# KiCad board kup-lulz.kicad_pcb (continued)
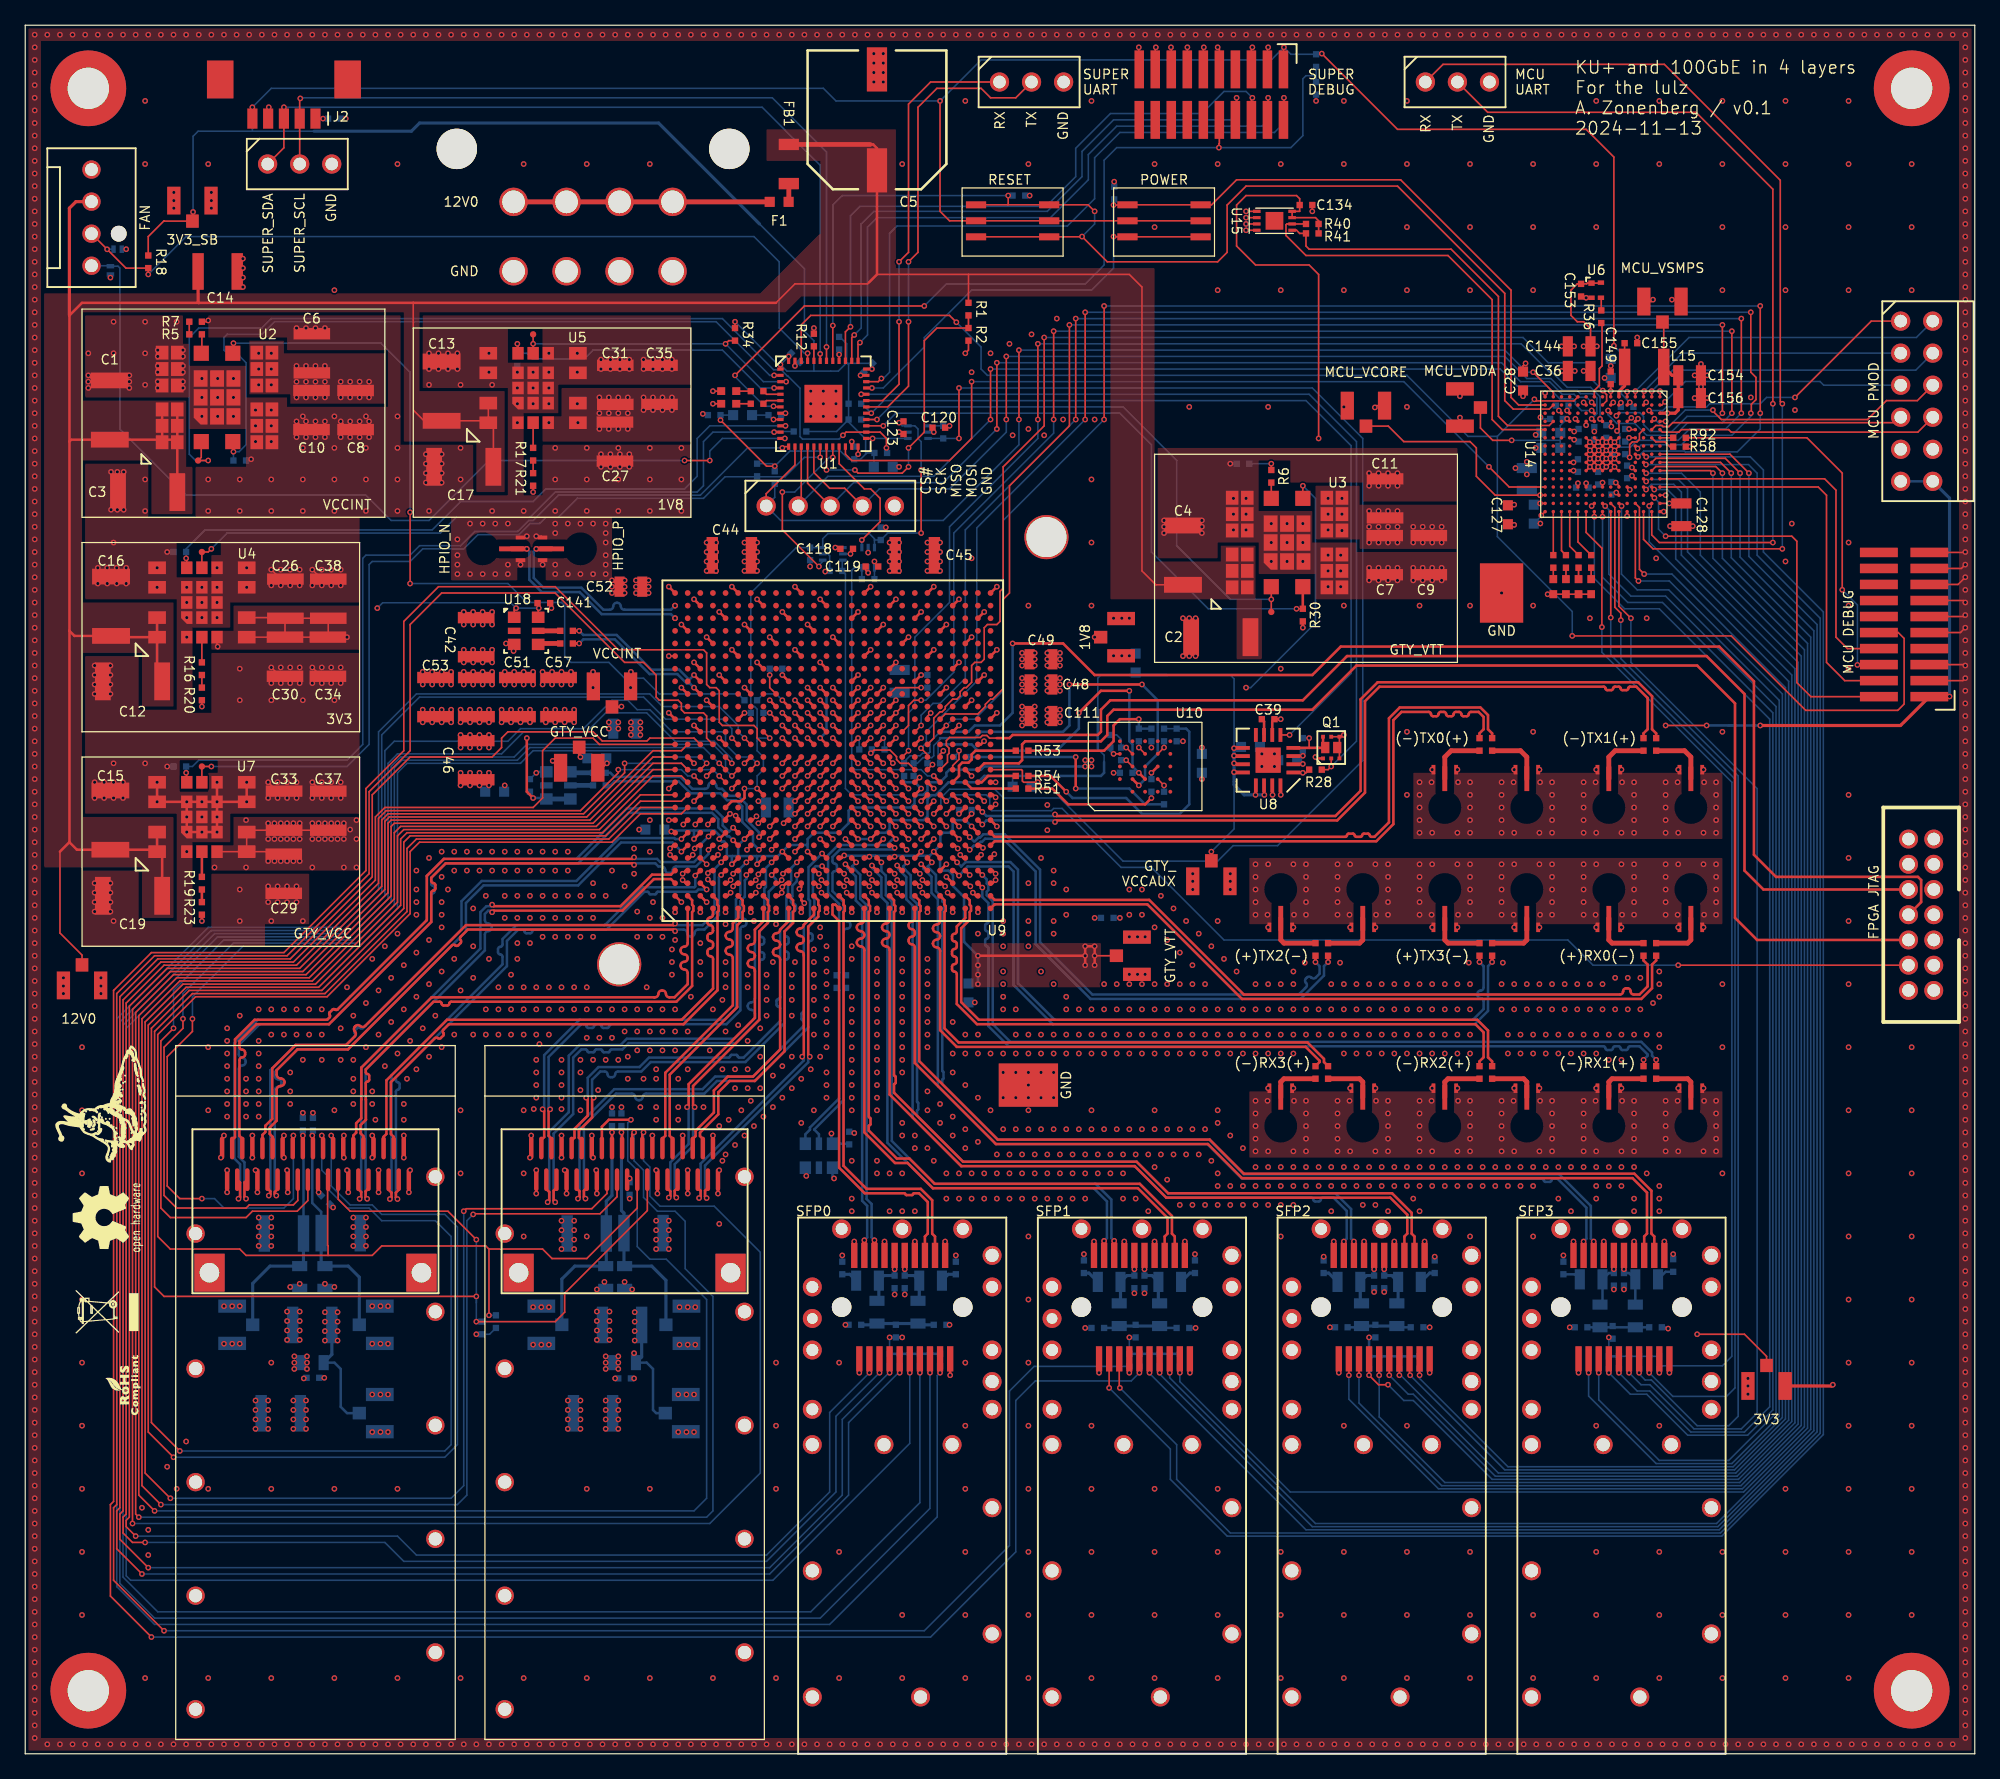
[diagram p0: board, top side]
## Nets (continued)
/FPGA support/FPGA_DONE_3V3: U1.21 U12.4
/FPGA support/FPGA_FLASH_CS_N: R49.2 R55.1 U10.C2
/FPGA support/FPGA_FLASH_DQ0: R45.2 R51.2
/FPGA support/FPGA_FLASH_DQ1: R46.2 R52.2
/FPGA support/FPGA_FLASH_DQ2: R47.2 R53.2 R56.1
/FPGA support/FPGA_FLASH_DQ3: R48.2 R54.2 R57.1
/FPGA support/FPGA_FLASH_SCK: R50.2 U10.B2
/FPGA support/FPGA_INIT: R89.1 U9.W10 U11.3
/FPGA support/FPGA_INIT_3V3: U1.20 U11.4
/FPGA support/FPGA_JTAG_TCK: J6.6 U9.AE12
/FPGA support/FPGA_JTAG_TDI: J6.10 U9.AB12
/FPGA support/FPGA_JTAG_TDO: J6.8 R44.1
/FPGA support/FPGA_JTAG_TMS: J6.4 U9.AB10
/FPGA support/FPGA_RESET_N: R91.1 U9.AB9 U13.3
/FPGA support/FPGA_RESET_N_3V3: U1.25 U13.4
/FPGA support/GTY_VCC: C29.1 C33.1 C37.1 C157.1 C162.1 TP16.1 U7.5 U7.6 U7.7 U9.AA7 U9.AC7 U9.J7 U9.L7 U9.N7 U9.W7
/FPGA support/GTY_VCCAUX: C41.1 C159.1 C160.1 TP12.1 U8.9 U8.10 U8.11 U8.12 U8.13 U8.14 U9.R7 U9.U7
/GTY_VTT: C7.1 C9.1 C11.1 C158.1 C161.1 R11.2 R81.1 TP14.1 U3.15 U3.16 U3.17 U3.18 U3.19 U3.20 U9.A7 U9.AB5 U9.AD8 U9.AE7 U9.C7 U9.E7 U9.F5 U9.G7 U9.H5 U9.K5 U9.M5 U9.P5 U9.T5 U9.V5 U9.Y5
/HP IOs/HPIO1_N: J40.1 U9.A24
/HP IOs/HPIO1_P: J14.1 U9.A25
/HP IOs/RC3_N: C143.1 U18.5
/HP IOs/RC3_P: C142.1 U18.4
/HP IOs/REFCLK3_N: C143.2 U9.C19
/HP IOs/REFCLK3_P: C142.2 U9.C18
/Management/I2C_SCL: R40.1 U14.R5 U15.6
/Management/I2C_SDA: R41.1 U14.P4 U15.5
/Management/MCU_BOOT0: R37.2 U14.C5
/Management/MCU_CLK_25MHZ: R36.1 U14.J1
/Management/MCU_JTAG_TCK: J4.4 U14.A12
/Management/MCU_JTAG_TDI: J4.8 U14.A11
/Management/MCU_JTAG_TDO: J4.6 R92.1
/Management/MCU_JTAG_TMS: J4.2 U14.B13
/Management/MCU_JTAG_TRST: R58.1 U14.B6
/Management/MCU_LED_0: R59.1 U14.L15
/Management/MCU_LED_1: R93.1 U14.M15
/Management/MCU_LED_2: R98.1 U14.N15
/Management/MCU_LED_3: R99.1 U14.P15
/Management/MCU_PMOD_DQ0: J38.1 U14.B3
/Management/MCU_PMOD_DQ1: J38.2 U14.C1
/Management/MCU_PMOD_DQ2: J38.3 U14.A2
/Management/MCU_PMOD_DQ3: J38.4 U14.B5
/Management/MCU_PMOD_DQ4: J38.7 U14.D1
/Management/MCU_PMOD_DQ5: J38.8 U14.B1
/Management/MCU_PMOD_DQ6: J38.9 U14.B4
/Management/MCU_PMOD_DQ7: J38.10 U14.A5
/Management/MCU_READY: U1.22 U14.R12
/Management/MCU_RST_N: J4.10 U1.46 U14.L1
/Management/MCU_UART_RX: J39.1 U14.C15
/Management/MCU_UART_TX: J39.2 U14.B15
/Management/MCU_VDDA: C129.1 C133.1 FB3.2 TP26.1 U14.M4
/Management/MGMT_SPI_CS_N: U9.AB15 U14.D8
/Management/MGMT_SPI_DQ0: U9.Y15 U14.F4
/Management/MGMT_SPI_DQ1: U9.AB16 U14.F3
/Management/MGMT_SPI_DQ2: U9.W15 U14.G3
/Management/MGMT_SPI_DQ3: U9.W13 U14.H4
/Management/MGMT_SPI_DQS: U9.AA13 U14.D7
/Management/MGMT_SPI_SCK: U9.AA14 U14.H2
/Management/QSFP0_I2C_SEL_N: J15.8 U9.E12
/Management/QSFP0_INT_N: J15.28 U9.B10
/Management/QSFP0_LPMODE: J15.31 U9.C12
/Management/QSFP0_PRESENT_N: J15.27 U9.A10
/Management/QSFP0_RST_N: J15.9 U9.F12
/Management/QSFP1_I2C_SEL_N: J16.8 U9.B11
/Management/QSFP1_INT_N: J16.28 U9.A13
/Management/QSFP1_LPMODE: J16.31 U9.B12
/Management/QSFP1_PRESENT_N: J16.27 U9.B14
/Management/QSFP1_RST_N: J16.9 U9.A12
/Management/QSFP_I2C_SCL: J15.11 J16.11 R42.1 U9.B9
/Management/QSFP_I2C_SDA: J15.12 J16.12 R94.1 U9.A9
/Management/SFP0_MOD_ABS: J11.6 U9.E13
/Management/SFP0_RS0: J11.7 R74.2 U9.G12
/Management/SFP0_RS1: J11.9 R75.2 U9.G14
/Management/SFP0_RX_LOS: J11.8 U9.F14
/Management/SFP0_TX_DISABLE: J11.3 U9.C11
/Management/SFP0_TX_FAULT: J11.2 U9.E11
/Management/SFP1_MOD_ABS: J9.6 U14.A8
/Management/SFP1_RS0: J9.7 R67.2 U14.B9
/Management/SFP1_RS1: J9.9 R68.2 U14.B10
/Management/SFP1_RX_LOS: J9.8 U14.A9
/Management/SFP1_TX_DISABLE: J9.3 U14.C9
/Management/SFP1_TX_FAULT: J9.2 U14.C8
/Management/SFP2_MOD_ABS: J7.6 U14.B12
/Management/SFP2_RS0: J7.7 R60.2 U14.B14
/Management/SFP2_RS1: J7.9 R61.2 U14.D15
/Management/SFP2_RX_LOS: J7.8 U14.D14
/Management/SFP2_TX_DISABLE: J7.3 U14.C10
/Management/SFP2_TX_FAULT: J7.2 U14.A10
/Management/SFP3_MOD_ABS: J33.6 U14.F15
/Management/SFP3_RS0: J33.7 R82.2 U14.G14
/Management/SFP3_RS1: J33.9 R83.2 U14.K15
/Management/SFP3_RX_LOS: J33.8 U14.G15
/Management/SFP3_TX_DISABLE: J33.3 U14.H14
/Management/SFP3_TX_FAULT: J33.2 U14.F14
/Management/VCORE: C124.1 C128.1 TP5.1 U14.A4 U14.A14 U14.R13
/Management/VLXSMPS: C155.1 L15.2 U14.F1
/Management/VSMPS: C32.1 C154.1 C156.1 L15.1 TP17.1 U14.A3 U14.A13 U14.G2 U14.R14
/Power Supply/BOOT0: R12.1 U1.44
/Power Supply/FAN1_PWM: D4.2 J13.4 U1.12
/Power Supply/FAN1_TACH: D3.2 J13.3 R18.1 U1.45
/Power Supply/GTY_VCC_EN: R32.1 U1.13 U7.12
/Power Supply/GTY_VCC_PGOOD: R33.1 TP6.1 U1.18 U7.11
/Power Supply/GTY_VCCAUX_EN_N: Q1.G1 R28.1 U1.32
/Power Supply/GTY_VCCAUX_PGOOD: R38.1 U1.29 U8.5
/Power Supply/GTY_VTT_EN: R30.1 U1.27 U3.8
/Power Supply/GTY_VTT_PGOOD: R29.1 TP2.1 U1.28 U3.7
/Power Supply/GTY_VTT_SENSE: R11.1 U3.21
/Power Supply/GVEN_3V3: Q1.D1 R31.2 U8.4
/Power Supply/SOFT_POWER: R4.2 SW2.1 U1.33 U14.R2
/Power Supply/SOFT_RESET: R3.2 SW1.1 U1.41 U14.P2
/Power Supply/SUPER_I2C_SCL: J2.2 TP7.2 U1.42
/Power Supply/SUPER_I2C_SDA: J2.3 TP7.1 U1.43
/Power Supply/SUPER_JTAG_TCK: J41.4 U1.37
/Power Supply/SUPER_JTAG_TDI: J41.8 U1.38
/Power Supply/SUPER_JTAG_TDO: J41.6 U1.39
/Power Supply/SUPER_JTAG_TMS: J41.2 U1.34
/Power Supply/SUPER_JTAG_TRST: R22.1 U1.40
/Power Supply/SUPER_LED0: R13.2 U1.5
/Power Supply/SUPER_LED1: R14.2 U1.6
/Power Supply/SUPER_RST_N: C22.1 J41.10 R15.2 U1.7
/Power Supply/SUPER_SPI_CS_N: R9.1 TP8.1 U1.14 U14.P1
/Power Supply/SUPER_SPI_MISO: TP8.3 U1.16 U14.J2
/Power Supply/SUPER_SPI_MOSI: TP8.4 U1.17 U14.J4
/Power Supply/SUPER_SPI_SCK: TP8.2 U1.15 U14.J3
/Power Supply/SUPER_UART_RX: J3.1 U1.31
/Power Supply/SUPER_UART_TX: J3.2 U1.30
/QSFP28 interface/QSFP0_VCC1: C85.1 C91.1 J15.30 L9.1 TP20.1
/QSFP28 interface/QSFP0_VCCRX: C83.1 C89.1 J15.10 L7.1 TP18.1
/QSFP28 interface/QSFP0_VCCTX: C84.1 C90.1 J15.29 L8.1 TP19.1
/QSFP28 interface/QSFP1_VCC1: C88.1 C94.1 J16.30 L12.1 TP23.1
/QSFP28 interface/QSFP1_VCCRX: C86.1 C92.1 J16.10 L10.1 TP21.1
/QSFP28 interface/QSFP1_VCCTX: C87.1 C93.1 J16.29 L11.1 TP22.1
/QSFP28 interface/QSFP28A_RX1_N: J15.22 U9.D1
/QSFP28 interface/QSFP28A_RX1_P: J15.21 U9.D2
/QSFP28 interface/QSFP28A_RX2_N: J15.18 U9.C3
/QSFP28 interface/QSFP28A_RX2_P: J15.17 U9.C4
/QSFP28 interface/QSFP28A_RX3_N: J15.25 U9.B1
/QSFP28 interface/QSFP28A_RX3_P: J15.24 U9.B2
/QSFP28 interface/QSFP28A_RX4_N: J15.15 U9.A3
/QSFP28 interface/QSFP28A_RX4_P: J15.14 U9.A4
/QSFP28 interface/QSFP28A_TX1_N: J15.3 U9.F6
/QSFP28 interface/QSFP28A_TX1_P: J15.2 U9.F7
/QSFP28 interface/QSFP28A_TX2_N: J15.33 U9.E4
/QSFP28 interface/QSFP28A_TX2_P: J15.34 U9.E5
/QSFP28 interface/QSFP28A_TX3_N: J15.36 U9.D6
/QSFP28 interface/QSFP28A_TX3_P: J15.37 U9.D7
/QSFP28 interface/QSFP28A_TX4_N: J15.6 U9.B6
/QSFP28 interface/QSFP28A_TX4_P: J15.5 U9.B7
/QSFP28 interface/QSFP28B_RX1_N: J16.17 U9.M1
/QSFP28 interface/QSFP28B_RX1_P: J16.18 U9.M2
/QSFP28 interface/QSFP28B_RX2_N: J16.22 U9.K1
/QSFP28 interface/QSFP28B_RX2_P: J16.21 U9.K2
/QSFP28 interface/QSFP28B_RX3_N: J16.14 U9.H1
/QSFP28 interface/QSFP28B_RX3_P: J16.15 U9.H2
/QSFP28 interface/QSFP28B_RX4_N: J16.25 U9.F1
/QSFP28 interface/QSFP28B_RX4_P: J16.24 U9.F2
/QSFP28 interface/QSFP28B_TX1_N: J16.6 U9.N4
/QSFP28 interface/QSFP28B_TX1_P: J16.5 U9.N5
/QSFP28 interface/QSFP28B_TX2_N: J16.33 U9.L4
/QSFP28 interface/QSFP28B_TX2_P: J16.34 U9.L5
/QSFP28 interface/QSFP28B_TX3_N: J16.3 U9.J4
/QSFP28 interface/QSFP28B_TX3_P: J16.2 U9.J5
/QSFP28 interface/QSFP28B_TX4_N: J16.36 U9.G4
/QSFP28 interface/QSFP28B_TX4_P: J16.37 U9.G5
/RC1_N: C138.1 U16.5
/RC1_P: C137.1 U16.4
/RC2_N: C140.1 U17.5
/RC2_P: C139.1 U17.4
/REFCLK1_N: C138.2 U9.V6
/REFCLK1_P: C137.2 U9.V7
/REFCLK2_N: C140.2 U9.H6
/REFCLK2_P: C139.2 U9.H7
/SFP28 interfaces/SFP0_3V3: C73.1 C74.1 L5.2 L6.2 R76.1
/SFP28 interfaces/SFP0_I2C_SCL: J11.5 R80.1 U9.C14
/SFP28 interfaces/SFP0_I2C_SDA: J11.4 R79.1 U9.A14
/SFP28 interfaces/SFP0_RX_N: J11.13 U9.P1
/SFP28 interfaces/SFP0_RX_P: J11.12 U9.P2
/SFP28 interfaces/SFP0_TX_N: J11.19 U9.R4
/SFP28 interfaces/SFP0_TX_P: J11.18 U9.R5
/SFP28 interfaces/SFP0_VDD_RX: C75.1 C77.1 J11.15 L5.1
/SFP28 interfaces/SFP0_VDD_TX: C76.1 C78.1 J11.16 L6.1
/SFP28 interfaces/SFP1_3V3: C67.1 C68.1 L3.2 L4.2 R69.1
/SFP28 interfaces/SFP1_I2C_SCL: J9.5 R73.1 U9.H14
/SFP28 interfaces/SFP1_I2C_SDA: J9.4 R72.1 U9.D14
/SFP28 interfaces/SFP1_RX_N: J9.13 U9.T1
/SFP28 interfaces/SFP1_RX_P: J9.12 U9.T2
/SFP28 interfaces/SFP1_TX_N: J9.19 U9.U4
/SFP28 interfaces/SFP1_TX_P: J9.18 U9.U5
/SFP28 interfaces/SFP1_VDD_RX: C69.1 C71.1 J9.15 L3.1
/SFP28 interfaces/SFP1_VDD_TX: C70.1 C72.1 J9.16 L4.1
/SFP28 interfaces/SFP2_3V3: C61.1 C62.1 L1.2 L2.2 R62.1
/SFP28 interfaces/SFP2_I2C_SCL: J7.5 R66.1 U14.C11
/SFP28 interfaces/SFP2_I2C_SDA: J7.4 R65.1 U14.C12
/SFP28 interfaces/SFP2_RX_N: J7.13 U9.V1
/SFP28 interfaces/SFP2_RX_P: J7.12 U9.V2
/SFP28 interfaces/SFP2_TX_N: J7.19 U9.W4
/SFP28 interfaces/SFP2_TX_P: J7.18 U9.W5
/SFP28 interfaces/SFP2_VDD_RX: C63.1 C65.1 J7.15 L1.1
/SFP28 interfaces/SFP2_VDD_TX: C64.1 C66.1 J7.16 L2.1
/SFP28 interfaces/SFP3_3V3: C112.1 C113.1 L13.2 L14.2 R84.1
/SFP28 interfaces/SFP3_I2C_SCL: J33.5 R88.1 U14.J15
/SFP28 interfaces/SFP3_I2C_SDA: J33.4 R87.1 U14.H15
/SFP28 interfaces/SFP3_RX_N: J33.13 U9.Y1
/SFP28 interfaces/SFP3_RX_P: J33.12 U9.Y2
/SFP28 interfaces/SFP3_TX_N: J33.19 U9.AA4
/SFP28 interfaces/SFP3_TX_P: J33.18 U9.AA5
/SFP28 interfaces/SFP3_VDD_RX: C114.1 C116.1 J33.15 L13.1
/SFP28 interfaces/SFP3_VDD_TX: C115.1 C117.1 J33.16 L14.1
/SMPM ports/K_RX_0_N: C95.2 U9.AF1
/SMPM ports/K_RX_0_P: C96.2 U9.AF2
/SMPM ports/K_RX_1_N: C98.2 U9.AE3
/SMPM ports/K_RX_1_P: C97.2 U9.AE4
/SMPM ports/K_RX_2_N: C100.2 U9.AD1
/SMPM ports/K_RX_2_P: C99.2 U9.AD2
/SMPM ports/K_RX_3_N: C102.2 U9.AB1
/SMPM ports/K_RX_3_P: C101.2 U9.AB2
/SMPM ports/K_TX_0_N: C103.2 U9.AF6
/SMPM ports/K_TX_0_P: C104.2 U9.AF7
/SMPM ports/K_TX_1_N: C105.2 U9.AE8
/SMPM ports/K_TX_1_P: C106.2 U9.AE9
/SMPM ports/K_TX_2_N: C107.2 U9.AD6
/SMPM ports/K_TX_2_P: C108.2 U9.AD7
/SMPM ports/K_TX_3_N: C109.2 U9.AC4
/SMPM ports/K_TX_3_P: C110.2 U9.AC5
Net-(C63-Pad2): C63.2 R63.2
Net-(C64-Pad2): C64.2 R64.2
Net-(C69-Pad2): C69.2 R70.2
Net-(C70-Pad2): C70.2 R71.2
Net-(C75-Pad2): C75.2 R77.2
Net-(C76-Pad2): C76.2 R78.2
Net-(C114-Pad2): C114.2 R85.2
Net-(C115-Pad2): C115.2 R86.2
Net-(D1-A): D1.2 R13.1
Net-(D2-A): D2.2 R14.1
Net-(D5-A): D5.2 R59.2
Net-(D6-A): D6.2 R93.2
Net-(D7-A): D7.2 R98.2
Net-(D8-A): D8.2 R99.2
Net-(F1-Pad2): F1.2 FB1.1
Net-(J1-12V0_SENSE): F1.1 J1.1 J1.2 J1.3 J1.4
Net-(J5-P2): J5.2 U9.Y12
Net-(J17-In): C95.1 J17.1
Net-(J18-In): C96.1 J18.1
Net-(J19-In): C97.1 J19.1
Net-(J20-In): C98.1 J20.1
Net-(J21-In): C99.1 J21.1
Net-(J22-In): C100.1 J22.1
Net-(J23-In): C101.1 J23.1
Net-(J24-In): C102.1 J24.1
Net-(J25-In): C103.1 J25.1
Net-(J26-In): C104.1 J26.1
Net-(J27-In): C105.1 J27.1
Net-(J28-In): C106.1 J28.1
Net-(J29-In): C107.1 J29.1
Net-(J30-In): C108.1 J30.1
Net-(J31-In): C109.1 J31.1
Net-(J32-In): C110.1 J32.1
Net-(R5-Pad2): R5.2 R7.2
Net-(R6-Pad2): R6.2 R8.2
Net-(R16-Pad2): R16.2 R20.2
Net-(R17-Pad2): R17.2 R21.2
Net-(R19-Pad2): R19.2 R23.2
Net-(U2-TRIM): R5.1 U2.22
Net-(U3-TRIM): R6.1 U3.22
Net-(U4-TRIM): R16.1 U4.4
Net-(U5-TRIM): R17.1 U5.4
Net-(U6-CLK): R36.2 U6.3
Net-(U7-TRIM): R19.1 U7.4
Net-(U8-SS): C39.1 U8.7
Net-(U9A-CCLK_0): R50.1 U9.Y11
Net-(U9A-D00_MOSI_0): R51.1 U9.AD11
Net-(U9A-D01_DIN_0): R52.1 U9.AC12
Net-(U9A-D02_0): R53.1 U9.AC11
Net-(U9A-D03_0): R54.1 U9.AE11
Net-(U9A-RDWR_FCS_B_0): R49.1 U9.AA12
Net-(U9A-TDO_0): R44.2 U9.Y10
Net-(U9D-VREF_67): R95.2 U9.J16
Net-(U9E-VREF_66): R96.2 U9.J18
Net-(U9F-VREF_65): R97.2 U9.V18
Net-(U9K-MGTRREF_R): R81.2 U9.AD9
Net-(U10-MISO/DQ1): R46.1 U10.D2
Net-(U10-MOSI/DQ0): R45.1 U10.D3
Net-(U10-RESET_N): R43.2 U10.A4
Net-(U10-RESET_N/DQ3): R48.1 U10.D4
Net-(U10-WP_N/DQ2): R47.1 U10.C4
Net-(U14B-PB3): R92.2 U14.A6

Pads without a net: J4 7 12 14 16 18 20; J6 1 12 13 14; J14 ~; J17 ~; J18 ~; J19 ~; J20 ~; J21 ~; J22 ~; J23 ~; J24 ~; J25 ~; J26 ~; J27 ~; J28 ~; J29 ~; J30 ~; J31 ~; J32 ~; J40 ~; J41 7 12 14 16 18 20; M2 1; M3 1; M4 1; M5 1; U8 8; U9 A15 A17 A18 A19 A20 A22 A23 AA15 AA17 AA18 AA19 AA20 AA22 AA23 AA24 AA25 AB6 AB7 AB14 AB17 AB19 AB20 AB21 AB22 AB24 AB25 AB26 AC13 AC14 AC16 AC17 AC18 AC19 AC21 AC22 AC23 AC24 AC26 AD13 AD14 AD15 AD16 AD18 AD19 AD20 AD21 AD23 AD24 AD25 AD26 AE13 AE15 AE16 AE17 AE18 AE20 AE21 AE22 AE23 AE25 AE26 AF13 AF14 AF15 AF17 AF18 AF19 AF20 AF22 AF23 AF24 AF25 B15 B16 B17 B19 B20 B21 B22 B24 B25 B26 C9 C13 C16 C17 C21 C22 C23 C24 C26 D9 D10 D11 D13 D15 D16 D18 D19 D20 D21 D23 D24 D25 D26 E10 E15 E16 E17 E18 E20 E21 E22 E23 E25 E26 F9 F10 F13 F15 F17 F18 F19 F20 F22 F23 F24 F25 G9 G10 G11 G15 G16 G17 G19 G20 G21 G22 G24 G25 G26 H9 H11 H12 H13 H16 H17 H18 H19 H21 H22 H23 H24 H26 J9 J10 J11 J12 J13 J14 J15 J19 J20 J21 J23 J24 J25 J26 K6 K7 K9 K10 K18 K20 K21 K22 K23 K25 K26 L18 L19 L20 L22 L23 L24 L25 M6 M7 M19 M20 M21 M22 M24 M25 M26 N19 N21 N22 N23 N24 N26 P6 P7 P19 P20 P21 P23 P24 P25 P26 R20 R21 R22 R23 R25 R26 T6 T7 T19 T20 T22 T23 T24 T25 U19 U20 U21 U22 U24 U25 U26 V19 V21 V22 V23 V24 V26 W12 W14 W16 W18 W19 W20 W21 W23 W24 W25 W26 Y6 Y7 Y13 Y16 Y17 Y18 Y20 Y21 Y22 Y23 Y25 Y26; U10 A2 A3 A5 B1 B5 C1 C3 C5 D1 D5 E1 E2 E3 E4 E5; U14 A7 B2 B7 B8 B11 C3 C4 C6 C7 C13 C14 D2 D3 D9 D12 D13 E3 E13 E14 G12 G13 H1 H3 H13 J12 J13 K1 K3 K13 K14 L2 L3 L13 L14 M1 M2 M7 M8 M11 M12 M13 M14 N1 N2 N4 N5 N6 N7 N8 N9 N10 N11 N12 N13 N14 P3 P5 P6 P7 P8 P9 P10 P11 P12 P13 P14 R3 R4 R6 R7 R8 R9 R10 R11; U15 PAD; U16 2; U17 2; U18 2

## Via types
v1: diameter 0.45, hole 0.25, Top to Bottom, 3772 vias

## Routing (per net, layer and track width the routed paths; a pad name or vN(x,y) marks a point on that pad's centre or on a via; arc(x,y) is an arc through that point)
/3V3: length 811.2
  Top w0.125: C28.1 v1(118.7,107.6) ; 127,105.6 v1(127.28,105.88) ; U9.H15 v1(59,80.5) ; 127.57,101.05 v1(127.33,101.29) ; C30.1 C34.1 v1(25.5,88.5) ; C30.1 U4.6 ; C30.1 20.59,89.97 ; v1(122.75,104.8) 122.6,104.95 U14.M5 ; U4.5 15.2,87.8 v1(15.25,87.75) ; C144.1 124.05,112.95 123.5,113.5 123,113.5 122.5,114 122.5,116 123,116.5 C153.1 123.74,116.5 123.8,116.56 U6.1 124.84,116.56 ; C144.1 v1(123.5,111.55) ; C144.1 v1(124.55,111.55) ; U8.2 101.22,78.42 v1(101.25,78.45) ; 150.91,83.8 v1(152.5,83.8) ; v1(99.5,76) 99.47,76.03 U8.16 ; U14.F13 v1(126.09,99.96) ; U4.7 20.56,90.05 ; C36.1 v1(123.5,109.6) ; U14.M9 v1(122.7,102.35) ; v1(130,81.5) v1(133.25,81.5) ; C149.1 v1(125.65,108) U14.G1 ; 24.01,88.53 C38.1 C26.1 ; U8.15 98.83,76.03 v1(98.85,76) ; v1(125.7,105.2) 125.65,105.25 U14.G4 ; v1(38.9,90.8) 38.75,90.65 U18.1 ; v1(132.5,33.25) 136.25,33.25 138,31.5 TP11.1 ; R28.2 101.5,77.75 v1(101.25,77.75) 101.22,77.78 U8.1 ; v1(101.25,79.1) 101.22,79.08 U8.3 ; v1(40.7,90.8) 40.65,90.75 U18.6 ; U14.M3 v1(122.19,106.46) ; v1(102.5,104.25) 102.5,117.25 101.75,118 97.5,118 96,119.5 96,122.75 96.75,123.5 100.75,123.5 101,123.25 C134.1 101,122.25 U15.8 U15.7 102.25,121.75 102.5,121.5 R40.2 R41.2 ; U14.E12 v1(127.16,100.19) ; R58.2 v1(131.95,103.6) ; U14.E15 v1(126.95,98.1) ; U14.L12 v1(123.05,100.7) ; v1(118,97.4) 117.95,97.45 C127.1 ; U14.D4 v1(127.81,105.81) ; v1(127.1,105) 127.15,104.95 U14.D5 ; U14.H12 v1(125,100.75) ; U14.K4 v1(123.7,105.3) ; v1(71,101.75) v1(71,96.75)
  Top w0.2: v1(57,76.5) 57,75.75 56.75,75.5 56,75.5 U9.E9 ; U9.E14 v1(55,80.5) ; U9.AC15 v1(74,81.5) ; v1(39.75,80.5) 39.75,76.25 v1(40.25,75.75) ; v1(58,76.5) U9.H10 ; U9.Y14 v1(71,80.5)
  Top w0.25: v1(137.5,81.5) 148.62,81.5 J4.1
  In2.Cu w0.125: v1(46,31) 44.5,31 ; 44.5,31 44.5,30.5 ; 44.5,31 44.5,31.5 ; v1(15.25,87.75) 15.25,80.7 15.15,80.6 ; v1(27.9,90.8) 27.9,88.15 27.75,88 ; 102.5,101.5 91,101.5 89.25,99.75 ; 102.5,101.5 v1(102.5,104.25) ; 102.5,101.5 105.25,101.5 106,102.25 110.75,102.25 111.25,101.75 113.75,101.75 113.75,94.75 ; 44.5,30.5 44.5,30 45.5,29 46,29 ; 44.5,30.5 v1(46,30.5) v1(47,30.5) ; v1(23.75,37.25) 24.25,37.25 v1(24.5,37) 24.75,37 25.5,36.25 25.5,34 ; 123.46,101.11 v1(123.05,100.7) 119.45,100.7 118.75,100 118.75,98.15 v1(118,97.4) 117.18,96.58 114.57,96.58 114.5,96.5 114.25,96.5 113.75,96 113.75,94.75 ; 123.46,101.11 123.16,101.41 123.16,102.95 ; 123.46,101.11 124.64,101.11 v1(125,100.75) 125.3,100.75 v1(126.09,99.96) 126.32,100.19 v1(127.16,100.19) ; v1(21.25,28) v1(21.25,25.75) v1(22.25,25.75) v1(22.25,28) 22.25,29.57 v1(22.08,29.75) 22.08,30.25 v1(22.33,30.5) ; v1(45.9,37.4) v1(45.3,36.8) 44.5,36 44.5,33 ; v1(80,83) 80,80.75 ; 80,80.75 82.75,80.75 83.5,81.5 ; 80,80.75 79,80.75 ; 18.1,80.6 29.3,80.6 29.4,80.5 ; 21.3,32 25.25,32 25.5,32.25 25.5,34 ; 21.3,32 20,32 19,33 19,34 ; 21.3,32 21.33,31.97 v1(21.33,31.5) v1(22.33,31.5) v1(22.33,31) v1(22.33,30.5) ; v1(118.7,107.6) 119.5,106.8 121.3,106.8 121.37,106.87 121.78,106.87 v1(122.19,106.46) 122.77,106.46 123.3,105.93 123.3,105.35 ; 123.16,102.95 123.16,102.81 v1(122.7,102.35) 120.35,102.35 119.7,103 v1(119.7,103.5) ; 123.16,102.95 123.16,104.69 123.05,104.8 ; 124.57,109.08 C36.1 v1(123.5,109.6) v1(123.5,111.55) ; 124.57,109.08 124.93,108.72 ; 124.57,109.08 124.55,109.1 v1(124.55,111.55) ; 124.93,108.72 125.16,108.96 v1(125.16,109.04) ; 124.93,108.72 v1(125.65,108) 125,107.35 125,106.25 125.25,106 125.25,105.3 ; 44.5,31.5 44.5,33 ; 44.5,31.5 v1(46,31.5) v1(47,31.5) v1(47,31) v1(47,30.5) ; 44.5,33 35.75,33 ; 113.75,86.25 120.25,86.25 125,81.5 v1(130,81.5) 129.75,81.5 131.5,79.75 131.5,44.25 132.5,43.25 132.5,40.75 132.25,40.5 132.25,36.25 132.5,36 v1(132.5,33.25) 125.75,33.25 v1(125.5,33) v1(69.5,33) 49.7,33 ; 113.75,86.25 113.75,94.75 ; 113.75,86.25 106.5,86.25 101.3,81.05 101.3,79.15 v1(101.25,79.1) v1(101.25,77.75) v1(99.5,76) v1(98.85,76) ; v1(123.7,105.3) 124.2,104.8 v1(124.35,104.8) ; v1(123.7,105.3) 123.2,104.8 123.05,104.8 ; v1(123.7,105.3) 125.25,105.3 ; v1(127.33,101.29) 127.33,100.36 v1(127.16,100.19) ; v1(79,83) 79,80.75 ; 79,80.75 78.25,80.75 77.5,81.5 ; 123.05,104.8 v1(122.75,104.8) 123.3,105.35 ; v1(127.81,105.81) 127.35,105.81 v1(127.28,105.88) 127.28,105.6 ; 35.75,33 v1(35.75,33.25) ; 35.75,33 30.5,33 29.5,34 25.5,34 ; v1(47,30.5) 46.75,30.25 v1(46.75,29.75) ; 27.75,88 27.75,82 29.25,80.5 29.4,80.5 ; 27.75,88 27.25,88.5 v1(25.5,88.5) ; v1(21.75,37.25) 21.25,37.25 v1(21,37) 19,35 19,34 ; 48.75,80.5 48,80.5 ; 48.75,80.5 v1(48.75,81.75) ; 48.75,80.5 v1(55,80.5) U9.E14 57.5,80 58,80.5 v1(59,80.5) ; 48,80.5 v1(48,81.75) ; 48,80.5 v1(39.75,80.5) 29.4,80.5 ; v1(127.16,100.19) 126.95,99.98 126.95,99.55 127.25,99.25 127.25,98.4 v1(126.95,98.1) ; 123.3,105.35 123.25,105.3 ; 125.25,105.3 125.6,105.3 v1(125.7,105.2) 126.1,105.6 127.28,105.6 ; v1(131.95,103.6) 131.25,104.3 127.8,104.3 v1(127.1,105) 127.28,105.18 127.28,105.6 ; v1(47.5,37.4) v1(48.1,36.8) 48.9,36.8 49.7,36 49.7,33 ; v1(21.33,30.5) v1(22.33,30.5) ; v1(46,25.75) 46,29 ; 46,29 47,29 ; 49.7,33 49.7,29.7 49,29 47,29 ; 60.6,42.9 63.3,45.6 v1(64.1,45.6) ; 19,34 13,34 10.5,36.5 10.5,58.75 6.5,62.75 4.75,62.75 2.5,65 2.5,65.75 ; 47,29 v1(47,25.75) ; v1(36.75,80.75) v1(34.5,80.75) v1(34.5,79.75) v1(36.75,79.75) v1(36.75,80.75)
  In2.Cu w0.2: 18.1,80.6 3.85,80.6 2.5,79.25 2.5,65.75 ; 89.25,99.75 89.25,84.83 86.67,82.25 85.75,82.25 85,81.5 83.5,81.5 ; v1(71,80.5) 73,80.5 v1(74,81.5) 77.5,81.5 ; 59.3,33 60.6,34.3 60.6,42.9 ; v1(64.1,45.6) 64.1,48.95 v1(63.89,49.16)
  Bottom w0.125: v1(48.1,36.8) 48.05,36.85 L11.2 v1(47.5,37.4) ; C132.2 v1(124.35,104.8) ; v1(40.7,90.8) v1(38.9,90.8) 38.48,91.22 28.33,91.22 v1(27.9,90.8) ; C125.1 125.17,109.05 v1(125.16,109.04) ; v1(125.7,105.2) 125.4,105.2 ; v1(45.9,37.4) 46,37.3 L12.2 45.35,36.85 v1(45.3,36.8) ; FB3.1 v1(119.7,103.5) ; v1(71,101.75) 71,104 70.75,104.25 70.75,105 70.5,105.25 U13.6 69.5,105.25 v1(69.25,105.5) ; v1(21.75,37.25) L9.2 21.15,36.85 v1(21,37) ; v1(71,96.75) 68.35,96.75 C122.1 67.3,96.2 ; 67.3,96.2 67.3,96.3 66.9,96.7 63.6,96.7 63.2,96.3 U11.6 C121.1 61.1,95.6 57.5,92 57.5,83.2 57.7,83 57.8,83 58,82.8 58,80.25 ; 67.3,96.2 U12.6 ; R72.2 v1(87.5,33) ; L8.2 v1(23.75,37.25) ; v1(46,31.5) 46.5,31 v1(46,30.5) ; L10.2 v1(46,31) v1(47,31) ; 21.92,31.1 v1(22.33,31.5) ; 48.4,81.4 v1(48.75,81.75) ; v1(21.33,31.5) 21.83,31 v1(21.33,30.5) ; C136.1 40,76 v1(40.25,75.75) ; R42.2 36.8,33.25 R94.2 v1(35.75,33.25) ; R79.2 v1(68.5,33) ; v1(57,76.5) v1(58,76.5) 58,77.5 58.5,78 58.5,79 58,79.5 58,80.25 ; R88.2 R83.1 ; 22.33,29.75 v1(22.08,29.75) ; 58,80.25 58,80.5 v1(59,80.5) ; v1(133.25,81.5) 135,81.5 ; C82.1 v1(46.75,29.75) ; 21.92,31 v1(21.33,31) v1(22.33,31) ; R87.2 v1(125.5,33) ; v1(24.5,37) 23.9,37 ; 46.6,31.1 v1(47,31.5)
  Bottom w0.2: J38.12 J38.6 ; v1(40.25,75.75) 41.23,75.75 ; R79.2 R75.1 ; 135.5,81.5 v1(137.5,81.5) ; 135.5,81.5 v1(133.25,81.5) ; 135.5,81.5 135,81.5 ; U16.6 65.25,48.35 ; v1(64.1,45.6) 63.97,45.72 U16.1 ; v1(63.89,49.16) 63.89,48.43 ; R61.1 R65.2 v1(106.5,33) R62.2 ; R87.2 R88.2 ; R72.2 R68.1 ; R69.2 v1(87.5,33)
  Bottom w0.25: v1(68.5,33) R76.2 v1(69.5,33) ; v1(152.5,83.8) 152.5,99.52 J38.12
  Bottom w0.38: U17.6 U17.1
  vias: v1(21.25,27.25) v1(21.25,26.5) v1(22.25,27.25) v1(22.25,26.5) v1(35.25,80.75) v1(35.25,79.75) v1(36,80.75) v1(36,79.75) v1(46,28) v1(46,27.25) v1(46,26.5) v1(47,28) v1(47,27.25) v1(47,26.5) v1(48,81.25) v1(48,80.75) v1(48.75,81.25) v1(48.75,80.75) v1(79,82.5) v1(79,82) v1(79,81.5) v1(80,82.5) v1(80,82) v1(80,81.5)
/3V3_SB: length 292.5
  Top w0.125: v1(13.3,122.2) 13.25,122.15 TP13.1 11.02,121.47 11,121.5 9.75,120.25 R18.2 ; SW2.2 SW2.2 SW1.2 SW1.2 73.25,121.5 72.5,122.25 v1(72.5,131) ; v1(59.4,102.05) 58.75,102.05 v1(55.1,105.7) ; J41.1 99.72,135.22 v1(99.75,135.25) ; U1.24 v1(66,103) ; v1(18,130.5) J2.5 ; v1(125.9,111.6) 125.9,126.55 123.7,128.75 108.75,128.75 v1(102.75,134.75) ; U14.E2 v1(127.16,107.11) ; U1.36 v1(67.1,109.75) ; R34.2 v1(56.25,113.5) ; U1.1 v1(59.85,110.1)
  Bottom w0.125: v1(102.75,134.75) 102.35,134.75 ; v1(59.85,110.1) 59.65,110.1 v1(56.25,113.5) ; v1(59.85,110.1) 60.36,109.59 62.5,109.59 ; v1(59.85,110.1) v1(60.5,110.75) ; 65.1,110.25 65.15,110.2 C25.1 ; 65.1,110.25 65.25,110.1 R38.2 R29.2 ; 65.1,110.25 65.1,111.75 64.55,112.3 ; 65.1,110.25 64.44,109.59 62.5,109.59 ; C21.1 67.25,103.05 ; v1(67.1,109.75) 67.1,110.15 ; 62.5,109.59 62.5,112 61.75,112.75 61.75,117.69 58.19,121.25 ; v1(55.1,105.7) C20.1 FB2.2 ; R29.2 65.25,105.55 66.6,104.2 66.6,103 ; R29.2 64.3,104.8 R24.2 ; 18,128.6 22.9,128.6 ; 18,128.6 13.7,128.6 13.3,128.2 v1(13.3,122.2) ; 18,128.6 v1(18,130.5) 19.5,132 63.25,132 64.25,131 v1(72.5,131) 75.75,134.25 98.75,134.25 v1(99.75,135.25) 100.3,134.7 R15.1 ; R26.2 66.7,103.1 66.6,103 ; 65.7,102.7 v1(66,103) ; 66.6,103 66.2,102.6 C18.1 65.25,102.6 64.6,103.25 60.6,103.25 v1(59.4,102.05) 59.2,102.25 R33.2 ; 127.45,106.82 v1(127.16,107.11) 126.5,107.77 126.5,111 v1(125.9,111.6)
  Bottom w0.25: 22.9,128.6 30.6,128.6 31.25,129.25 50.19,129.25 58.19,121.25
/12V0: length 256.6
  Top w0.125: C17.1 37.1,105.1 ; 2.75,71.5 2.75,65.05 4.5,63.3 TP9.1 ; 31.6,105.65 30.75,106.5 30.75,115 ; 74.75,117.25 87.5,117.25 88.5,116.25 88.5,93.75 89.6,92.65 C4.1 ; 74.75,117.25 R1.1 ; 74.75,117.25 67.5,117.25 ; U5.1 U5.2 ; 59.5,115 61,116.5 66.75,116.5 66.88,116.62 ; C13.1 36.55,105.65
  Top w0.2: 3.5,89 3.5,72.25 ; 3.5,89 3.9,88.6 C16.1 ; 3.5,89 3.5,104 ; 3.5,72.25 2.75,71.5 ; 3.5,72.25 4.1,71.65 C15.1 10.3,71.65 ; C19.1 10.85,71.1 ; U7.2 U7.1 ; 59.5,115 4.5,115 3.5,114 3.5,104 ; U4.2 U4.1 ; U4.1 6.9,88.5 ; U4.1 10.45,85.4 ; U2.3 U2.1 ; 3.5,104 3.65,104.15 C1.1 11.85,104.15 ; U2.6 U2.4 C3.1 ; 66.88,116.62 67.5,117.25 C5.1 67.5,127.25 67.2,127.55 66.95,127.55
  Top w0.25: C14.1 13.7,115.05 13.75,115 ; 3.5,114 3.5,122.5 4.02,123.02 J13.2
  Top w0.38: FB1.2 66.95,127.55
/FPGA support/1V8: length 401.4
  Top w0.125: v1(79,86.75) C49.1 ; C49.1 79.1,86.25 v1(79,86.25) ; C49.1 79.1,87.25 v1(79,87.25) ; v1(79,85.25) 79.1,85.25 C48.1 ; v1(79,84.75) C48.1 ; C48.1 79.1,84.25 v1(79,84.25) ; v1(87.25,79.75) U10.B4
  Top w0.2: U9.M18 v1(62,84.5) ; U9.T18 v1(67,84.5) ; U9.Y9 v1(71,74.5) ; U9.AB18 v1(73,84.5) ; v1(75,88.5) U9.AD22 ; v1(72,87.5) U9.AA21 ; v1(53,86.5) U9.C20 ; U9.D17 v1(54,83.5) ; U9.P18 v1(64,84.5) ; U9.R18 v1(66,84.5) ; v1(55,90.5) U9.E24 ; v1(57,84.5) U9.G18 ; U9.AD12 v1(75,77.5) ; U9.W9 v1(70,74.5) ; U9.N14 v1(63,80.5) ; U9.AA10 v1(71,75.5) ; U9.AA11 v1(72,76.5) ; U9.N18 v1(63,84.5) ; v1(58,91.5) U9.H25 ; v1(71,90.5) U9.Y24 ; v1(68,89.5) U9.U23 ; v1(59,88.5) U9.J22 ; v1(64,88.5) U9.P22
  In2.Cu w0.125: v1(73,84.5) 78.75,84.5 v1(79,84.75) ; v1(54,96) v1(54,93.75) ; v1(54,93.75) v1(54.75,93.75) v1(54.75,96) ; v1(54,93.75) 53.5,93.25 53.5,93 ; v1(80,85.25) v1(79,85.25) ; v1(80,85.25) v1(80,84.25) ; v1(80,85.25) v1(80,87.25) v1(79,87.25) v1(79,85.25) ; v1(79,85.25) v1(79,84.25) ; 71.5,77.25 71.5,77.42 70.5,78.42 70.5,80.25 ; v1(45.5,107.5) 44.25,107.5 v1(43.75,107) 43.8,106.95 v1(43.8,105.5) v1(41.5,105.5) ; v1(45.5,107.5) v1(51.25,107.5) ; v1(45.5,107.5) v1(45.5,105) v1(47.75,105) 47.75,104.95 48.4,104.3 v1(48.4,93) ; v1(93.25,79.75) 92.25,79.75 v1(91.75,80.25) R56.2 ; v1(69.25,93.75) v1(68.5,93.75) v1(68.5,96) ; v1(69.25,93.75) v1(69.25,96) ; v1(69.25,93.75) 70,93 ; v1(51.25,106.5) v1(49,106.5) ; v1(89.25,79.75) R56.2 ; R56.2 87.75,80.25 v1(87.25,79.75) ; 85.75,126.75 74.25,126.75 73.25,125.75 v1(73.25,105.25) 73.25,93.5 72.75,93 70,93 ; J6.2 148,61.75 148,76.5 146.75,77.75 144,77.75 143.25,78.5 143.25,85 ; v1(87.25,79.75) 82,79.75 80.75,78.5 80.75,77.5 ; v1(87.25,79.75) 86.75,79.25 86.75,78.25 v1(86.25,77.75) ; v1(45.5,106.25) v1(47.75,106.25) ; 70,93 70,89.5 ; v1(71,75.5) 71.5,75.5 ; 138.25,126.75 143,126.75 143.25,126.5 143.25,121.25 ; v1(68.5,94.5) v1(67.3,94.5) 66.8,95 v1(66.8,95.2) 66.4,95.6 v1(64.2,95.6) 64.2,94.5 v1(63.4,93.7) 63.44,93.66 63.44,89.06 v1(64,88.5) ; v1(75,88.5) v1(84.75,88.5)
  In2.Cu w0.2: 54.5,90.5 54.5,92 53.5,93 v1(49.4,93) ; 54.5,90.5 53,89 v1(53,86.5) 54,85.5 54,84.5 ; 54.5,90.5 v1(55,90.5) 57,90.5 v1(58,91.5) 59,90.5 v1(59,88.5) U9.J22 63.5,88 ; 85.75,126.75 138.25,126.75 ; v1(73,84.5) U9.AB18 70.5,84 ; 70.5,84 67.5,84 v1(67,84.5) v1(62,84.5) v1(57,84.5) 54,84.5 ; 70.5,84 70.5,80.25 ; 143.25,121.25 143.25,85 ; v1(48.4,92) v1(48.4,93) v1(49.4,93) ; 72,88 71,89 v1(71,90.5) 70,89.5 v1(68,89.5) U9.U23 66.5,88 63.5,88 ; 72,88 U9.AD22 v1(75,88.5) ; 72,88 v1(72,87.5) ; 80.75,77.5 v1(75,77.5) 74.5,77 72.5,77 v1(72,76.5) ; v1(72,76.5) U9.AA11 71.5,77.25 ; v1(72,76.5) U9.AA10 71.5,75 v1(71,74.5) v1(70,74.5) ; 63.5,88 v1(64,88.5) ; v1(49.4,93) v1(49.4,92) ; 54,84.5 v1(54,83.5)
  Bottom w0.125: C60.1 86.85,80.4 86.5,80.75 R43.1 ; U11.5 63.6,95.1 63.75,94.95 R89.2 63.45,93.75 v1(63.4,93.7) ; v1(73.25,105.25) R91.2 U13.1 ; R57.2 v1(91.75,80.25) ; U11.1 v1(64.2,95.6) ; C59.1 v1(93.25,79.75) ; R55.2 v1(86.25,77.75) ; R56.2 v1(89.25,79.75) ; U12.5 v1(66.8,95.2) ; R90.2 U12.1 v1(67.3,94.5)
  Bottom w0.2: v1(63,80.5) 63.5,81 U9.N18 v1(63,84.5)
  vias: v1(46.25,107.5) v1(46.25,106.25) v1(46.25,105) v1(47,107.5) v1(47,106.25) v1(47,105) v1(47.75,107.5) v1(48.4,92.5) v1(49,107.5) v1(49.4,92.5) v1(49.75,107.5) v1(49.75,106.5) v1(50.5,107.5) v1(50.5,106.5) v1(54,95.25) v1(54,94.5) v1(54.75,95.25) v1(54.75,94.5) v1(68.5,95.25) v1(69.25,95.25) v1(69.25,94.5) v1(80,86.75) v1(80,86.25) v1(80,84.75)
/FPGA support/VCCINT: length 212.1
  Top w0.125: v1(68.76,78.51) 68.5,78.77 U9.V13
  Top w0.2: U9.M9 v1(62,74.5) ; U9.M17 v1(62,83.5) ; U9.N9 v1(63,74.5) ; U9.L12 v1(61,77.5) ; U9.V11 v1(69,76.5) ; U9.R12 v1(66,77.5) ; U9.V17 v1(69,83.5) ; U9.U12 v1(68,77.5) ; U9.T9 v1(67,74.5) ; U9.K11 v1(60,76.5) ; v1(47.25,83) 47.22,82.97 TP10.1 ; U9.R10 v1(66,75.5) ; U9.T15 v1(67,81.5) ; U9.L16 v1(61,82.5) ; U9.U16 v1(68,82.5) ; U9.P9 v1(64,74.5) ; U9.R9 v1(66,74.5) ; U9.V15 v1(69,81.5) ; U9.N12 v1(63,77.5) ; U9.P11 v1(64,76.5) ; U9.U14 v1(68,80.5) ; U9.N10 v1(63,75.5) ; U9.V9 v1(69,74.5) ; U9.N16 v1(63,82.5) ; U9.U10 v1(68,75.5) ; U9.P15 v1(64,81.5) ; U9.T17 v1(67,83.5) ; U9.M13 v1(62,78.5) ; U9.L14 v1(61,80.5) ; U9.T11 v1(67,76.5) ; U9.K17 v1(60,83.5) ; U9.K15 v1(60,81.5) ; U9.R16 v1(66,82.5) ; U9.P17 v1(64,83.5) ; U9.M11 v1(62,76.5) ; U9.K13 v1(60,78.5) ; U9.L10 v1(61,75.5) ; U9.M15 v1(62,81.5) ; U9.L9 v1(61,74.5) ; U9.U9 v1(68,74.5)
  In2.Cu w0.125: v1(21.5,110) v1(21.5,107.5) v1(27.25,107.5) ; v1(21.5,110) 19.75,110 v1(19.5,109.75) ; v1(21.5,110) v1(23.75,110) ; v1(40,82.75) 40,83 ; v1(40,82.75) v1(37.75,82.75) v1(37.75,81.75) v1(40,81.75) ; v1(40,82.75) v1(41.25,82.75) ; v1(40,82.75) 40.25,83 ; v1(36.75,81.75) v1(34.5,81.75) v1(34.5,82.75) v1(36.75,82.75) ; v1(36.75,82.75) 37,83 32.5,83 30,85.5 30,106.75 28,108.75 v1(21.5,108.75) ; v1(36.75,82.75) 36.75,83 ; 43.5,83 v1(43.5,82.75) v1(41.25,82.75) ; v1(19.5,111) v1(19.5,108.5) v1(18.5,108.5) v1(18.5,111) ; v1(37,90.5) v1(34.75,90.5) ; v1(34.75,90.5) 30,90.5 ; v1(34.75,90.5) v1(34.75,89.5) v1(37,89.5) ; v1(43.5,81.75) v1(41.25,81.75) v1(41.25,82.75) ; v1(33.75,82.75) 33.75,83 ; v1(33.75,82.75) 34,83 ; v1(33.75,82.75) v1(31.5,82.75) v1(31.5,81.75) v1(33.75,81.75) ; 68.5,80 U9.V13 69,78.5 68.99,78.51 v1(68.76,78.51)
  In2.Cu w0.2: v1(66,74.5) v1(66,75.5) 69,78.5 ; v1(68,77.5) v1(69,76.5) v1(68,75.5) v1(68,74.5) ; v1(64,76.5) v1(63,75.5) v1(63,74.5) ; v1(64,76.5) U9.P11 U9.P15 v1(64,81.5) v1(62,83.5) v1(60,81.5) ; v1(64,76.5) v1(62,78.5) v1(61,77.5) ; v1(68,80.5) v1(66,82.5) ; v1(68,80.5) v1(69,81.5) ; v1(68,80.5) 68.5,80 ; v1(66,82.5) v1(67,83.5) ; v1(66,82.5) 65,83.5 v1(64,83.5) v1(61,80.5) ; 37,83 v1(47.25,83) 51.9,83 52.3,82.6 56.3,82.6 56.7,83 59.5,83 v1(60,83.5) v1(62,81.5) ; v1(66,77.5) v1(67,76.5) ; v1(60,78.5) v1(61,77.5) ; v1(61,77.5) v1(60,76.5) ; v1(69,83.5) v1(67,81.5) ; v1(69,74.5) v1(61,74.5) v1(61,75.5) v1(63,77.5)
  Bottom w0.125: R10.2 58.5,84 59.5,84 v1(60,83.5) ; J5.1 68.1,80.4 v1(68,80.5)
  vias: v1(18.5,109.75) v1(22.25,110) v1(22.25,108.75) v1(22.25,107.5) v1(23,110) v1(23,108.75) v1(23,107.5) v1(23.75,108.75) v1(23.75,107.5) v1(25,108.75) v1(25,107.5) v1(25.75,108.75) v1(25.75,107.5) v1(26.5,108.75) v1(26.5,107.5) v1(27.25,108.75) v1(32.25,82.75) v1(32.25,81.75) v1(33,82.75) v1(33,81.75) v1(35.25,82.75) v1(35.25,81.75) v1(35.5,90.5) v1(35.5,89.5) v1(36,82.75) v1(36,81.75) v1(36.25,90.5) v1(36.25,89.5) v1(38.5,82.75) v1(38.5,81.75) v1(39.25,82.75) v1(39.25,81.75) v1(42,82.75) v1(42,81.75) v1(42.75,82.75) v1(42.75,81.75)
/GND: length 3274.1